# KiCad board Ortholith.kicad_pcb (continued)
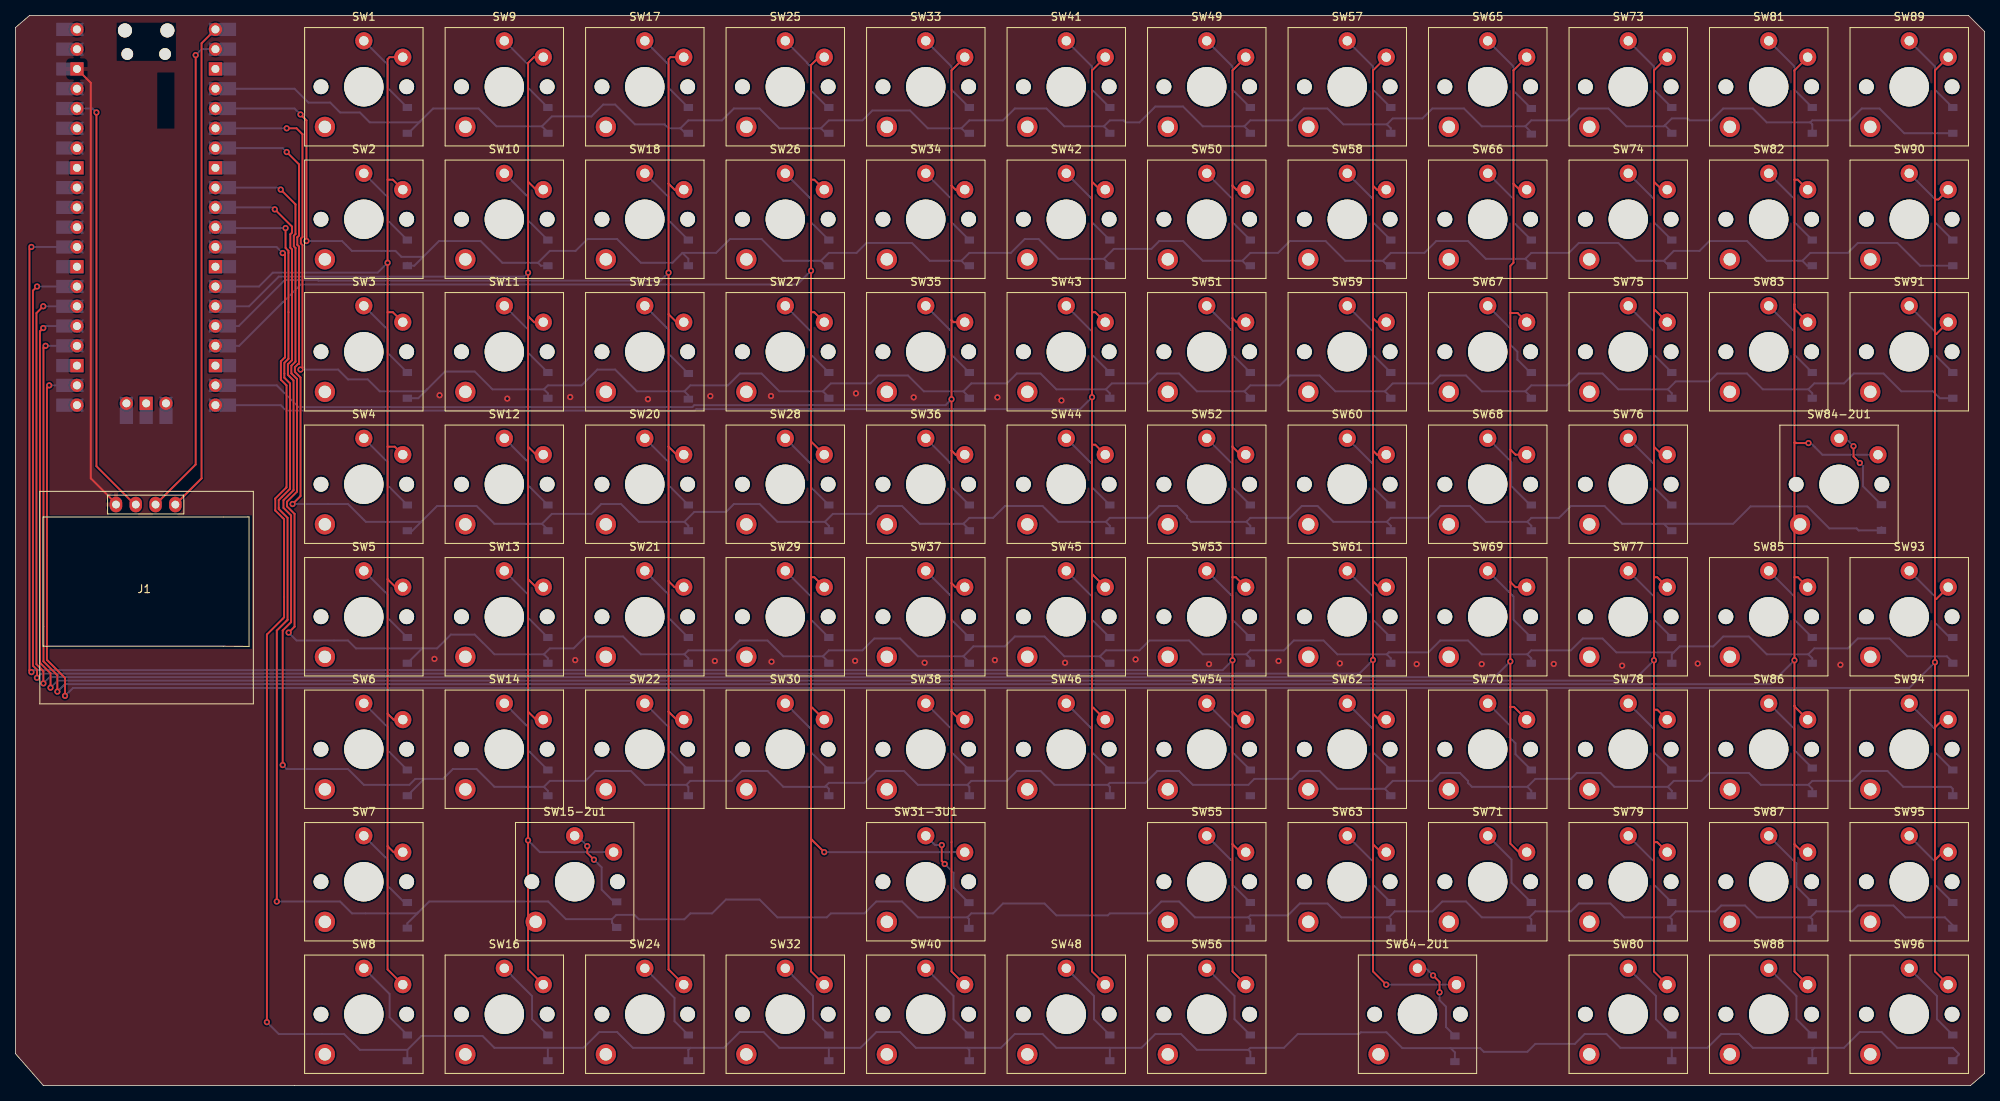
[diagram p0: board, top side]
## Routing (per net, layer and track width the routed paths; a pad name or vN(x,y) marks a point on that pad's centre or on a via; arc(x,y) is an arc through that point)
3V3: length 55.2
  Top w0.25: J1.2 15.31,74.61 10.38,79.54 v1(10.38,124.97)
  Bottom w0.25: v1(10.38,124.97) 9.87,125.48 U1.36
GND: length 58
  Top w0.25: U1.38 9.65,128.78 9.65,77.98 12.89,74.74 J1.1
  vias: v1(53.77,54.79) v1(54.43,88.65) v1(63.12,88.22) v1(71.2,88.42) v1(71.84,54.63) v1(81.17,88.15) v1(89.19,88.55) v1(89.76,54.52) v1(96.97,88.55) v1(97.04,54.43) v1(107.77,54.54) v1(107.88,88.89) v1(115.29,88.38) v1(116.69,54.3) v1(125.71,54.63) v1(126.04,88.38) v1(134.26,87.98) v1(134.72,54.3) v1(143.77,54.72) v1(153.2,54.12) v1(162.13,54.52) v1(169.99,54.21) v1(179.85,54.12) v1(188.2,54.12) v1(197.45,54.14) v1(206.23,53.92) v1(215.93,54.19) v1(234.25,54.03)
Col0: length 159.4
  Top w0.25: SW1.2 48,132.07 47.75,131.83 47.75,116.33 ; SW6.2 48.52,46.98 47.75,47.75 ; 47.75,65.02 48.78,64 SW5.2 ; 47.75,65.02 47.75,82.04 ; 47.75,65.02 47.75,47.75 ; 47.75,47.75 47.75,30.73 ; 47.75,30.73 48.52,29.96 SW7.2 ; 47.75,30.73 47.75,14.9 SW8.2 ; SW4.2 48.68,82.04 47.75,82.04 ; 47.75,82.04 47.75,99.31 ; 47.75,116.33 v1(47.75,105.66) 47.75,99.31 ; 47.75,116.33 48.42,116.33 SW2.2 ; SW3.2 48.42,99.31 47.75,99.31
  Bottom w0.25: U1.14 31.24,102.62 33.02,104.39 46.48,104.39 v1(47.75,105.66)
Col1: length 186.8
  Top w0.25: SW11.2 66.56,98.03 65.79,98.81 ; 65.79,82.04 66.81,81.02 SW12.2 ; 65.79,82.04 65.79,98.81 ; 65.79,82.04 65.79,65.02 ; 65.79,116.08 66.81,115.05 SW10.2 ; 65.79,116.08 65.79,98.81 ; 65.79,116.08 65.79,131.32 66.54,132.07 SW9.2 ; SW14.2 66.81,46.98 65.79,48.01 ; 65.79,65.02 66.81,64 SW13.2 ; 65.79,65.02 65.79,48.01 ; 65.79,48.01 v1(65.79,31.48) 65.79,14.9 SW16.2
  Bottom w0.25: v1(65.79,31.48) 67.3,29.97 SW15-2u1.2 ; v1(65.79,104.39) 65.28,103.89 33.78,103.89 29.97,100.08 U1.15
Col2: length 194.5
  Top w0.25: 83.82,82.04 84.85,81.02 SW20.2 ; 83.82,82.04 83.82,99.06 ; 83.82,82.04 83.82,64.77 ; 83.82,99.06 84.85,98.03 SW19.2 ; 83.82,99.06 v1(83.82,104.39) 83.82,115.82 ; SW18.2 84.59,115.05 83.82,115.82 ; 83.82,64.77 83.82,48.01 ; 83.82,64.77 84.59,64 SW21.2 ; SW17.2 84.06,132.07 83.82,131.83 83.82,115.82 ; SW22.2 84.85,46.98 83.82,48.01 ; 83.82,48.01 83.82,14.9 SW24.2
  Bottom w0.25: v1(83.82,104.39) 82.8,103.38 38.86,103.38 38.8,103.44 34.54,103.44 28.64,97.54 U1.16
Col3: length 233.4
  Top w0.25: 102.11,82.8 102.11,65.28 ; 102.11,82.8 102.11,82.71 SW28.2 ; 102.11,82.8 102.11,99.31 ; 102.11,65.28 102.11,48.51 ; 102.11,65.28 102.53,65.28 SW29.2 ; 102.11,99.31 102.53,99.31 SW27.2 ; 102.11,99.31 102.11,116.33 ; 102.11,116.33 102.11,131.06 103.11,132.07 SW25.2 ; 102.11,116.33 102.53,116.33 SW26.2 ; 102.11,31.75 102.11,31.66 v1(103.81,29.96) ; 102.11,31.75 102.11,14.64 SW32.2 ; 102.11,31.75 102.11,48.51 ; SW30.2 102.27,48.51 102.11,48.51
  Bottom w0.25: v1(102.11,104.65) 100.33,102.87 36.58,102.87 28.7,95 U1.17 ; SW31-3U1.2 v1(103.81,29.96)
Col4: length 226.3
  Top w0.25: SW36.2 120.66,81.02 120.14,81.53 ; 120.14,81.53 120.14,64.52 ; 120.14,81.53 120.14,98.3 ; 120.14,64.52 120.66,64 SW37.2 ; 120.14,64.52 120.14,48.01 ; 120.14,98.3 120.41,98.03 SW35.2 ; 120.14,98.3 120.14,115.57 ; SW40.2 120.14,14.64 120.14,48.01 ; 120.14,115.57 120.66,115.05 SW34.2 ; 120.14,115.57 120.14,130.37 SW33.2 ; 120.14,48.01 121.17,46.98 SW38.2
  Bottom w0.25: v1(120.14,88.14) 119.38,87.38 87.12,87.38 86.87,87.12 36.32,87.12 33.53,89.92 U1.19
Col5: length 245.6
  Top w0.25: SW43.2 138.59,99.31 138.18,99.31 ; 138.18,82.3 138.59,82.3 SW44.2 ; 138.18,82.3 138.18,99.31 ; 138.18,82.3 138.18,65.79 ; 138.18,99.31 138.18,116.08 ; 138.18,48.51 138.18,31.75 ; 138.18,48.51 138.34,48.51 SW46.2 ; 138.18,48.51 138.18,65.79 ; 138.18,31.75 138.18,14.64 SW48.2 ; 138.18,31.75 138.18,31.66 ; SW42.2 139.2,115.05 138.18,116.08 ; SW41.2 138.18,130.37 138.18,116.08 ; SW45.2 138.18,65.7 138.18,65.79
  Bottom w0.25: v1(138.18,88.39) 136.65,86.87 87.38,86.87 87.12,86.61 87.06,86.67 34.74,86.67 34.04,87.38 U1.20
Col6: length 348.4
  Top w0.25: 156.21,65.28 156.63,65.28 SW53.2 ; 156.21,65.28 156.21,48.01 ; 156.21,65.28 156.21,82.04 ; 156.21,115.57 156.21,130.37 SW49.2 ; 156.21,115.57 156.73,115.05 SW50.2 ; 156.21,115.57 156.21,98.55 ; 156.21,98.55 156.21,82.04 ; 156.21,98.55 156.73,98.03 SW51.2 ; 156.21,82.04 157.24,81.02 SW52.2 ; 156.21,48.01 157.24,46.98 SW54.2 ; 156.21,48.01 156.21,30.99 ; SW56.2 156.21,14.64 156.21,30.99 ; v1(2.03,107.7) 1.78,107.44 1.78,53.34 v1(2.03,53.09) ; 156.21,30.99 157.24,29.96 SW55.2
  Bottom w0.25: v1(2.03,53.09) 2.29,53.34 154.94,53.34 v1(156.21,54.61) ; v1(2.03,107.7) U1.29
Col7: length 369.8
  Top w0.25: SW58.2 174.76,115.05 174.24,115.57 ; SW60.2 174.76,81.02 174.24,81.53 ; 174.24,81.53 174.24,98.55 ; 174.24,81.53 174.24,64.77 ; 174.24,30.99 175.27,29.96 SW63.2 ; 174.24,30.99 174.24,47.75 ; 174.24,30.99 174.24,14.64 v1(175.94,12.94) ; 174.24,47.75 174.24,54.61 ; 174.24,47.75 175.02,46.98 SW62.2 ; v1(2.76,102.62) 2.23,102.09 2.23,53.92 2.76,53.39 2.76,52.38 v1(2.74,52.36) ; 174.24,64.77 174.24,54.61 ; 174.24,64.77 175.02,64 SW61.2 ; 174.24,54.61 v1(174.24,54.65) ; 174.24,98.55 174.76,98.03 SW59.2 ; 174.24,98.55 174.24,115.57 ; 174.24,115.57 174.24,130.37 SW57.2
  Bottom w0.25: SW64-2U1.2 175.94,12.95 v1(175.94,12.94) ; v1(174.24,54.65) 172.49,52.89 3.27,52.89 v1(2.74,52.36) ; v1(2.76,102.62) U1.27
Col8: length 359.5
  Top w0.25: 191.88,48.62 192.34,48.62 SW70.2 ; 191.88,48.62 191.88,64.66 ; 191.88,48.62 191.88,31.06 192.97,29.96 SW71.2 ; 191.88,64.66 192.54,64 SW69.2 ; 191.88,64.66 191.88,81.68 ; v1(3.57,51.64) 3.57,53.21 2.68,54.1 2.68,99.2 v1(3.56,100.08) ; 192.28,115.82 192.28,105.66 191.88,105.26 191.88,99.21 ; 192.28,115.82 193.05,115.05 SW66.2 ; 192.28,115.82 192.28,130.37 SW65.2 ; 191.88,81.68 192.54,81.02 SW68.2 ; 191.88,81.68 191.88,99.21 ; 191.88,99.21 192.8,99.21 SW67.2
  Bottom w0.25: v1(3.56,100.08) U1.26 ; v1(191.88,54.46) 189.85,52.44 4.37,52.44 v1(3.57,51.64)
Col9: length 392.4
  Top w0.25: 210.31,31.24 210.31,14.64 SW80.2 ; 210.31,31.24 210.73,31.24 SW79.2 ; 210.31,31.24 210.31,48.26 ; SW74.2 211.34,115.05 210.31,116.08 ; 210.31,99.57 210.48,99.57 SW75.2 ; 210.31,99.57 210.31,82.04 ; 210.31,99.57 210.31,116.08 ; SW77.2 210.73,65.28 210.31,65.28 ; 210.31,65.28 v1(210.31,54.61) 210.31,48.26 ; 210.31,65.28 210.31,82.04 ; SW76.2 211.34,81.02 210.31,82.04 ; 210.31,48.26 210.73,48.26 SW78.2 ; SW73.2 210.31,130.37 210.31,116.08 ; v1(3.56,97.28) 3.13,96.85 3.13,54.29 4.48,52.93 v1(4.48,51.09)
  Bottom w0.25: v1(210.31,54.61) 207.69,51.99 5.38,51.99 v1(4.48,51.09) ; v1(3.56,97.28) 3.81,97.54 U1.25
Col10: length 417.9
  Top w0.25: SW83.2 228.35,99.73 228.35,100.33 ; SW85.2 228.76,65.28 228.35,65.28 ; SW88.2 228.35,14.64 228.35,30.99 ; SW82.2 228.76,116.33 228.35,116.33 ; 228.35,30.99 229.37,29.96 SW87.2 ; 228.35,30.99 228.35,48.77 ; 228.35,65.28 228.35,82.55 ; 228.35,65.28 v1(228.35,54.61) 228.35,48.77 ; v1(3.85,95) 3.58,94.72 3.58,54.47 5.36,52.69 v1(5.36,50.58) ; 228.35,116.33 228.35,100.33 ; 228.35,116.33 228.35,130.37 SW81.2 ; 228.35,100.33 228.35,82.55 ; v1(230.15,82.51) 228.55,82.51 228.51,82.55 228.35,82.55 ; SW86.2 228.35,48.68 228.35,48.77
  Bottom w0.25: v1(230.15,82.51) 230.44,82.51 231.94,81.01 SW84-2U1.2 ; v1(5.36,50.58) 6.32,51.54 225.28,51.54 v1(228.35,54.61) ; v1(3.85,95) U1.24
Col11: length 418
  Top w0.25: 246.38,62.48 246.38,45.97 ; 246.38,62.48 246.56,62.48 SW93.2 ; 246.38,62.48 246.38,96.52 ; 246.38,45.97 247.39,46.98 SW94.2 ; 246.38,45.97 246.38,28.96 ; 246.38,113.79 246.82,113.79 SW90.2 ; 246.38,113.79 246.38,130.37 SW89.2 ; 246.38,113.79 246.38,96.52 ; 246.38,96.52 246.56,96.52 SW91.2 ; v1(4.32,89.92) 4.03,89.62 4.03,54.66 6.35,52.34 v1(6.35,50.04) ; 246.38,28.96 247.39,29.96 SW95.2 ; 246.38,28.96 246.38,14.64 SW96.2
  Bottom w0.25: v1(6.35,50.04) 7.37,51.05 243.08,51.05 v1(246.38,54.36) ; v1(4.32,89.92) U1.22
Row0: length 261.9
  Bottom w0.25: 51.94,123.83 53.59,125.48 59.44,125.48 61.72,123.19 67.56,123.19 ; 51.94,123.83 50.42,122.3 D1.1 ; 51.94,123.83 51.82,123.7 45.47,123.7 44.2,124.97 41.66,124.97 40.39,126.24 37.59,126.24 35.81,128.02 U1.4 ; D9.1 68.33,122.43 67.56,123.19 ; 139.7,123.19 134.62,123.19 132.33,125.48 128.27,125.48 126.75,123.95 122.43,123.95 121.41,122.94 ; 139.7,123.19 140.46,122.43 D41.1 ; 139.7,123.19 140.46,123.95 142.24,123.95 142.49,123.7 144.27,123.7 146.3,125.73 149.86,125.73 152.4,123.19 157.73,123.19 ; 211.71,123.32 212.6,124.21 214.63,124.21 214.88,123.95 217.68,123.95 219.2,125.48 223.01,125.48 224.79,123.7 230.38,123.7 ; 211.71,123.32 211.58,123.19 206.76,123.19 204.47,125.48 200.66,125.48 199.14,123.95 194.56,123.95 193.8,123.19 ; 211.71,123.32 212.6,122.43 D73.1 ; 67.56,123.19 68.83,124.46 73.91,124.46 75.44,125.98 76.96,125.98 79.5,123.44 83.31,123.44 83.82,122.94 85.34,122.94 ; D57.1 176.53,122.94 176.02,123.44 ; 193.8,123.19 194.56,122.43 D65.1 ; 193.8,123.19 188.21,123.19 185.93,125.48 181.86,125.48 180.59,124.21 176.78,124.21 176.02,123.44 ; 176.02,123.44 170.43,123.44 168.4,125.48 165.35,125.48 163.83,123.95 158.5,123.95 157.73,123.19 ; D33.1 122.05,122.3 121.41,122.94 ; 121.41,122.94 117.09,122.94 114.81,125.22 109.98,125.22 108.71,123.95 104.39,123.95 103.38,122.94 ; 85.34,122.94 85.98,122.3 D17.1 ; 85.34,122.94 86.36,123.95 90.68,123.95 92.2,125.48 95.5,125.48 98.04,122.94 103.38,122.94 ; 230.38,123.7 230.63,123.44 D81.1 ; 230.38,123.7 230.63,123.95 235.46,123.95 236.98,125.48 239.27,125.48 242.44,122.3 D89.1 ; D25.1 104.01,122.3 103.38,122.94 ; 157.73,123.19 158.5,122.43 D49.1
Row1: length 279.8
  Top w0.25: v1(37.34,108.46) 37.34,123.95 v1(36.58,124.71)
  Bottom w0.25: 103.38,105.92 104.01,105.28 D26.1 ; 103.38,105.92 98.55,105.92 95.76,108.71 91.69,108.71 89.92,106.93 85.6,106.93 ; 103.38,105.92 104.39,106.93 107.95,106.93 109.22,108.2 115.06,108.2 117.35,105.92 121.41,105.92 ; 193.8,106.17 188.72,106.17 186.44,108.46 182.37,108.46 180.85,106.93 176.53,106.93 175.51,105.92 ; 193.8,106.17 194.56,105.41 D66.1 ; 193.8,106.17 194.56,106.93 199.39,106.93 200.66,108.2 205.74,108.2 208.03,105.92 211.58,105.92 ; D82.1 230,105.28 229.36,105.92 ; 85.6,106.93 84.33,105.66 80.26,105.66 77.22,108.71 73.41,108.71 71.88,107.19 68.58,107.19 67.06,105.66 ; 85.6,106.93 86.36,106.17 D18.1 ; 50.29,105.66 D2.1 51.18,105.28 52.32,106.43 ; D74.1 212.22,105.28 211.58,105.92 ; 211.58,105.92 212.85,107.19 216.15,107.19 217.42,108.46 222.25,108.46 224.79,105.92 229.36,105.92 ; v1(37.34,108.46) 41.91,108.46 43.18,107.19 48.77,107.19 49.53,106.43 52.32,106.43 ; 67.06,105.66 67.44,105.28 D10.1 ; 67.06,105.66 62.48,105.66 59.69,108.46 54.36,108.46 52.32,106.43 ; 121.41,105.92 122.43,106.93 127.76,106.93 129.54,108.71 131.32,108.71 133.86,106.17 139.7,106.17 ; 121.41,105.92 122.05,105.28 D34.1 ; 175.51,105.92 170.69,105.92 168.15,108.46 163.58,108.46 162.05,106.93 158.5,106.93 157.48,105.92 ; 175.51,105.92 176.15,105.28 D58.1 ; 139.7,106.17 140.97,107.44 145.8,107.44 146.81,108.46 149.86,108.46 152.4,105.92 157.48,105.92 ; 139.7,106.17 140.46,105.41 D42.1 ; 157.48,105.92 158.11,105.28 D50.1 ; v1(36.58,124.71) 35.81,125.48 U1.5 ; 229.36,105.92 230.38,106.93 235.2,106.93 236.47,108.2 241.55,108.2 244.47,105.28 D90.1
Row2: length 291.3
  Top w0.25: v1(36.58,91.95) 36.83,92.2 36.83,107.94 36.61,108.16 36.61,108.76 36.83,108.97 36.83,122.17 36.07,122.94 v1(34.8,122.94)
  Bottom w0.25: D43.1 140.46,88.9 139.95,89.41 ; D3.1 51.69,88.27 52.83,89.41 ; 230.12,89.41 224.28,89.41 222.25,91.44 218.44,91.44 217.42,90.42 213.11,90.42 212.09,89.41 ; 230.12,89.41 230.89,90.17 234.7,90.17 235.97,91.44 239.78,91.44 242.06,89.15 246.13,89.15 247.01,88.27 D91.1 ; 230.12,89.41 230.63,88.9 D83.1 ; 175.77,89.15 176.78,90.17 181.86,90.17 182.88,91.19 186.18,91.19 188.21,89.15 193.8,89.15 ; 175.77,89.15 176.53,88.39 D59.1 ; 175.77,89.15 169.42,89.15 167.39,91.19 163.58,91.19 162.31,89.92 158.5,89.92 157.73,89.15 ; D51.1 158.5,88.39 157.73,89.15 ; 212.09,89.41 205.74,89.41 203.71,91.44 200.66,91.44 199.14,89.92 194.56,89.92 193.8,89.15 ; 212.09,89.41 212.6,88.9 D75.1 ; 157.73,89.15 151.64,89.15 149.35,91.44 146.56,91.44 145.29,90.17 140.72,90.17 139.95,89.41 ; 121.67,89.15 116.59,89.15 114.55,91.19 110.74,91.19 109.73,90.17 104.65,90.17 103.63,89.15 ; 121.67,89.15 122.43,88.39 D35.1 ; 121.67,89.15 122.68,90.17 127.25,90.17 128.52,91.44 131.57,91.44 133.6,89.41 139.95,89.41 ; D67.1 194.56,88.39 193.8,89.15 ; 85.85,89.15 86.61,89.92 91.44,89.92 92.96,91.44 95.76,91.44 98.04,89.15 103.63,89.15 ; 85.85,89.15 86.36,88.65 D19.1 ; 85.85,89.15 79.76,89.15 76.96,91.95 74.68,91.95 72.64,89.92 68.33,89.92 67.82,89.41 ; 52.83,89.41 55.12,91.69 58.93,91.69 61.21,89.41 67.82,89.41 ; 52.83,89.41 52.58,89.15 46.74,89.15 45.21,90.68 42.67,90.68 41.4,91.95 v1(36.58,91.95) ; 103.63,89.15 104.39,88.39 D27.1 ; 67.82,89.41 68.33,88.9 D11.1 ; v1(34.8,122.94) U1.6
Row3: length 294.3
  Top w0.25: v1(35.56,74.68) 36.58,75.69 36.58,90.92 35.85,91.65 35.85,92.25 36.28,92.67 36.38,92.67 36.38,107.76 36.16,107.97 36.16,108.94 36.38,109.16 36.38,118.31 v1(34.8,119.89)
  Bottom w0.25: 211.58,72.14 206.25,72.14 203.96,74.42 199.64,74.42 198.12,72.9 194.56,72.9 194.06,72.39 ; 211.58,72.14 212.47,71.25 D76.1 ; 211.58,72.14 220.47,72.14 222.7,74.37 230,74.37 232.82,71.55 236.33,71.55 236.59,71.29 D84.1 239.52,71.72 ; D60.1 176.53,71.88 176.02,72.39 ; 52.07,72.39 44.96,72.39 42.67,74.68 v1(35.56,74.68) ; 52.07,72.39 54.1,74.42 59.18,74.42 61.47,72.14 67.56,72.14 ; 52.07,72.39 50.93,71.25 D4.1 ; 139.95,72.39 140.46,72.9 145.29,72.9 146.81,74.42 149.1,74.42 150.37,73.15 150.37,72.9 150.88,72.39 157.99,72.39 ; 139.95,72.39 133.86,72.39 131.83,74.42 127,74.42 125.48,72.9 122.43,72.9 121.67,72.14 ; 139.95,72.39 140.46,71.88 D44.1 ; 176.02,72.39 176.53,72.9 181.36,72.9 182.88,74.42 186.69,74.42 188.72,72.39 194.06,72.39 ; 176.02,72.39 169.16,72.39 167.13,74.42 165.1,74.42 163.58,72.9 158.5,72.9 157.99,72.39 ; D28.1 104.39,71.88 103.89,72.39 ; 121.67,72.14 122.43,71.37 D36.1 ; 121.67,72.14 116.08,72.14 113.79,74.42 110.74,74.42 109.73,73.41 104.9,73.41 103.89,72.39 ; 67.56,72.14 68.83,73.41 73.91,73.41 75.18,74.68 77.72,74.68 80.01,72.39 85.85,72.39 ; 67.56,72.14 68.33,71.37 D12.1 ; 157.99,72.39 158.5,71.88 D52.1 ; 85.85,72.39 86.36,71.88 D20.1 ; 85.85,72.39 87.12,73.66 91.19,73.66 92.2,74.68 95.5,74.68 97.79,72.39 103.89,72.39 ; 194.06,72.39 194.56,71.88 D68.1 ; v1(34.8,119.89) 34.29,120.4 U1.7
Row4: length 318.3
  Top w0.25: v1(35.05,58.17) 35.81,58.93 35.81,73.4 34.84,74.38 34.84,74.98 36.13,76.27 36.13,90.74 35.4,91.46 35.4,92.43 35.93,92.96 35.93,107.57 35.71,107.79 35.71,109.13 35.93,109.35 35.93,113.17 v1(34.04,115.06)
  Bottom w0.25: D77.1 212.6,55.37 212.85,55.63 ; D13.1 68.33,54.86 67.82,55.37 ; 212.85,55.63 205.49,55.63 203.71,57.4 201.17,57.4 199.64,55.88 194.56,55.88 194.06,55.37 ; 212.85,55.63 213.61,56.39 217.93,56.39 219.2,57.66 222.5,57.66 224.79,55.37 230.12,55.37 ; D45.1 140.08,54.23 139.19,55.12 ; 121.67,55.12 115.82,55.12 113.54,57.4 110.24,57.4 108.71,55.88 104.39,55.88 103.63,55.12 ; 121.67,55.12 122.43,54.36 D37.1 ; 121.67,55.12 122.94,56.39 127,56.39 128.27,57.66 132.08,57.66 134.62,55.12 139.19,55.12 ; U1.9 33.78,115.32 v1(34.04,115.06) ; 67.82,55.37 68.58,56.13 71.63,56.13 73.15,57.66 77.98,57.66 80.26,55.37 85.85,55.37 ; 67.82,55.37 61.47,55.37 58.93,57.91 55.88,57.91 54.1,56.13 52.2,56.13 ; 85.85,55.37 86.36,54.86 D21.1 ; 85.85,55.37 86.36,55.88 91.69,55.88 92.96,57.15 96.52,57.15 98.55,55.12 103.63,55.12 ; 230.12,55.37 230.63,54.86 D85.1 ; 230.12,55.37 230.89,56.13 235.2,56.13 236.47,57.4 240.54,57.4 242.82,55.12 247.9,55.12 248.67,54.36 D93.1 ; 139.19,55.12 139.95,55.88 144.27,55.88 145.54,57.15 150.62,57.15 152.4,55.37 157.99,55.37 ; 103.63,55.12 104.39,54.36 D29.1 ; 194.06,55.37 194.56,54.86 D69.1 ; 194.06,55.37 188.21,55.37 186.44,57.15 182.88,57.15 181.36,55.63 176.28,55.63 176.02,55.37 ; 157.99,55.37 158.5,54.86 D53.1 ; 157.99,55.37 158.5,55.88 162.81,55.88 164.08,57.15 167.89,57.15 169.67,55.37 176.02,55.37 ; D5.1 52.2,56.13 ; 52.2,56.13 43.69,56.13 42.67,57.15 36.07,57.15 v1(35.05,58.17) ; 176.02,55.37 176.53,54.86 D61.1
Row5: length 331.5
  Top w0.25: v1(34.29,41.15) 34.29,58.43 35.36,59.5 35.36,73.21 34.39,74.19 34.39,75.16 35.68,76.45 35.68,90.55 34.95,91.28 34.95,92.62 35.48,93.15 35.48,107.38 35.26,107.6 35.26,109.32 35.48,109.53 35.48,110.31 v1(33.27,112.52)
  Bottom w0.25: 212.09,38.35 205.23,38.35 203.45,40.13 200.41,40.13 199.64,39.37 195.07,39.37 194.06,38.35 ; 212.09,38.35 212.85,39.12 216.41,39.12 217.42,40.13 222.5,40.13 224.03,38.61 230.12,38.61 ; 212.09,38.35 212.6,37.85 D78.1 ; U1.10 33.02,112.78 v1(33.27,112.52) ; 194.06,38.35 186.94,38.35 186.44,38.86 186.44,39.12 185.42,40.13 182.88,40.13 181.86,39.12 176.78,39.12 175.77,38.1 ; 194.06,38.35 194.56,37.85 D70.1 ; 175.77,38.1 176.53,37.34 D62.1 ; 175.77,38.1 169.67,38.1 167.39,40.39 164.85,40.39 163.83,39.37 159,39.37 158.24,38.61 151.13,38.61 149.35,40.39 146.56,40.39 145.03,38.86 140.46,38.86 140.21,38.61 ; 103.89,38.35 98.55,38.35 96.52,40.39 93.22,40.39 91.95,39.12 86.61,39.12 86.11,38.61 ; 103.89,38.35 104.14,38.35 104.39,38.1 D30.1 ; 103.89,38.35 104.39,38.86 108.97,38.86 110.49,40.39 114.05,40.39 115.82,38.61 122.17,38.61 ; 140.21,38.61 133.35,38.61 131.57,40.39 128.52,40.39 127.25,39.12 122.68,39.12 122.17,38.61 ; 140.21,38.61 140.46,38.35 D46.1 ; 230.12,38.61 230.63,39.12 235.71,39.12 236.98,40.39 240.28,40.39 242.32,38.35 248.41,38.35 248.67,38.1 D94.1 ; 230.12,38.61 230.63,38.1 D86.1 ; 86.11,38.61 86.36,38.35 D22.1 ; 86.11,38.61 80.77,38.61 78.99,40.39 74.42,40.39 73.15,39.12 68.58,39.12 67.82,38.35 ; 122.17,38.61 122.43,38.35 D38.1 ; D14.1 68.33,37.85 67.82,38.35 ; 52.45,39.37 51.31,39.37 50.55,38.61 44.7,38.61 42.67,40.64 34.8,40.64 v1(34.29,41.15) ; 52.45,39.37 D6.1 ; 52.45,39.37 54.86,39.37 56.13,40.64 59.18,40.64 61.47,38.35 67.82,38.35
Row6: length 343.2
  Top w0.25: v1(34.66,110.12) 34.66,107.56 35.03,107.19 35.03,93.34 34.5,92.81 34.5,90.89 35.23,90.17 35.23,76.64 33.78,75.19 33.78,74.03 34.91,72.9 34.91,59.81 33.53,58.42 v1(33.53,23.62)
  Bottom w0.25: 158.24,21.59 158.5,21.84 163.32,21.84 164.85,23.37 168.4,23.37 170.18,21.59 176.28,21.59 ; 158.24,21.59 151.38,21.59 149.35,23.62 147.07,23.62 145.54,22.1 140.46,22.1 140.21,21.84 133.6,21.84 132.08,23.37 126.75,23.37 125.48,22.1 122.68,22.1 122.17,21.59 ; 158.24,21.59 158.5,21.34 D55.1 ; 51.69,22.23 51.56,22.1 43.18,22.1 41.66,23.62 v1(33.53,23.62) ; 51.69,22.23 53.09,23.62 68.38,23.62 70.65,21.36 76.57,21.36 ; 51.69,22.23 50.29,20.83 D7.1 ; 194.31,21.59 195.07,22.35 199.64,22.35 200.66,23.37 204.72,23.37 206.5,21.59 212.34,21.59 ; 194.31,21.59 194.56,21.34 D71.1 ; 194.31,21.59 188.21,21.59 186.18,23.62 183.13,23.62 181.86,22.35 177.04,22.35 176.28,21.59 ; 176.28,21.59 176.53,21.34 D63.1 ; D31.1 122.38,21.39 122.17,21.59 ; 230.38,21.59 223.52,21.59 222,23.11 218.95,23.11 218.19,22.35 213.11,22.35 212.34,21.59 ; 230.38,21.59 230.63,21.34 D87.1 ; 230.38,21.59 231.14,22.35 235.71,22.35 236.47,23.11 241.05,23.11 242.57,21.59 247.65,21.59 248.67,20.57 D95.1 ; 212.34,21.59 212.6,21.34 D79.1 ; v1(34.66,110.12) 25.77,110.12 U1.11 ; 122.17,21.59 115.82,21.59 113.79,23.62 110.49,23.62 108.97,22.1 104.65,22.1 104.14,21.59 97.79,21.59 95.5,23.88 91.19,23.88 89.41,22.1 86.61,22.1 85.85,21.34 80.01,21.34 79.44,21.91 77.12,21.91 76.57,21.36 ; 76.57,21.36 76.57,20.89 D15.1
Row7: length 363.7
  Top w0.25: v1(32.26,8.13) 32.26,57.91 34.47,60.12 34.47,72.71 33.33,73.84 33.33,75.38 34.78,76.83 34.78,89.92 34.05,90.64 34.05,92.99 34.58,93.52 34.58,106.93 34.31,106.93 v1(34.28,106.91)
  Bottom w0.25: U1.12 33.5,107.7 v1(34.28,106.91) ; 68.33,4.83 D16.1 ; 68.33,4.83 61.47,4.83 59.94,6.35 52.07,6.35 50.29,4.57 ; 68.33,4.83 72.9,4.83 74.93,6.86 77.22,6.86 79.25,4.83 86.61,4.83 ; 212.6,4.83 205.99,4.83 204.22,6.6 201.42,6.6 200.15,5.33 195.07,5.33 194.06,4.32 188.47,4.32 187.99,4.8 184.21,4.8 ; 212.6,4.83 217.17,4.83 218.95,6.6 221.23,6.6 223.01,4.83 230.89,4.83 ; 212.6,4.83 D80.1 ; D24.1 86.36,4.57 86.61,4.83 ; 230.89,4.83 230.63,4.57 D88.1 ; 230.89,4.83 234.7,4.83 236.73,6.86 239.52,6.86 241.55,4.83 248.67,4.83 249.43,4.06 249.43,3.94 D96.1 ; 104.39,4.83 108.46,4.83 110.49,6.86 113.54,6.86 115.57,4.83 122.17,4.83 ; 104.39,4.83 D32.1 ; 104.39,4.83 98.04,4.83 96.01,6.86 92.96,6.86 90.93,4.83 86.61,4.83 ; 184.21,4.8 178.01,4.8 175.98,6.83 172.67,6.83 172.44,6.6 164.59,6.6 162.81,4.83 158.5,4.83 158.24,4.57 ; 184.21,4.8 184.76,4.25 D64.1 ; 122.17,4.83 126.49,4.83 128.27,6.6 131.83,6.6 133.6,4.83 140.46,4.83 ; 122.17,4.83 122.43,4.57 D40.1 ; 140.46,4.83 D48.1 ; 140.46,4.83 144.53,4.83 146.3,6.6 149.61,6.6 151.64,4.57 158.24,4.57 ; 158.24,4.57 158.5,4.32 D56.1 ; D8.1 50.29,4.57 ; 50.29,4.57 44.2,4.57 42.16,6.6 33.78,6.6 v1(32.26,8.13)
SCL: length 62.7
  Top w0.25: v1(23.11,132.33) 23.11,79.76 17.97,74.61 J1.3
  Bottom w0.25: v1(23.11,132.33) 23.88,133.1 U1.2
SDA: length 63.2
  Top w0.25: J1.4 23.88,77.97 23.88,133.86 U1.1
Net-(D1-Pad2): length 10.9
  Bottom w0.25: D1.2 47.75,128.14 47.75,131.12 SW1.1
Net-(D2-Pad2): length 10.9
  Bottom w0.25: D2.2 47.75,111.12 47.75,114.1 SW2.1
Net-(D3-Pad2): length 10.9
  Bottom w0.25: D3.2 47.75,94.11 47.75,97.09 SW3.1
Net-(D4-Pad2): length 10.9
  Bottom w0.25: SW4.1 47.75,80.07 47.75,77.09 D4.2
Net-(D5-Pad2): length 10.9
  Bottom w0.25: SW5.1 47.75,63.05 47.75,60.07 D5.2
Net-(D6-Pad2): length 10.9
  Bottom w0.25: SW6.1 47.75,46.03 47.75,43.05 D6.2
Net-(D7-Pad2): length 11.1
  Bottom w0.25: SW7.1 47.75,29.01 47.75,25.65 49.91,23.49 D7.2
Net-(D8-Pad2): length 10.9
  Bottom w0.25: D8.2 48.01,8.76 48.01,11.74 SW8.1
Net-(D9-Pad2): length 10.9
  Bottom w0.25: D9.2 65.79,128.14 65.79,131.12 SW9.1
Net-(D10-Pad2): length 10.9
  Bottom w0.25: SW10.1 65.79,114.1 65.79,111.12 D10.2
Net-(D11-Pad2): length 10.9
  Bottom w0.25: SW11.1 65.79,97.09 65.79,94.11 D11.2
Net-(D12-Pad2): length 10.9
  Bottom w0.25: SW12.1 65.79,80.07 65.79,77.09 D12.2
Net-(D13-Pad2): length 10.9
  Bottom w0.25: SW13.1 65.79,63.05 65.79,60.07 D13.2
Net-(D14-Pad2): length 10.9
  Bottom w0.25: SW14.1 65.79,46.03 65.79,43.05 D14.2
Net-(D15-Pad2): length 11.1
  Top w0.25: v1(73.39,30.74) 73.39,29.86 v1(74.25,29)
  Bottom w0.25: SW15-2u1.1 72.06,32.07 v1(73.39,30.74) ; v1(74.25,29) 75.24,28.01 75.24,25.14 76.79,23.59 D15.2
Net-(D16-Pad2): length 10.9
  Bottom w0.25: SW16.1 66.29,11.49 66.29,8.51 D16.2
Net-(D17-Pad2): length 10.9
  Bottom w0.25: SW17.1 83.82,131.12 83.82,128.14 D17.2
Net-(D18-Pad2): length 10.9
  Bottom w0.25: SW18.1 83.82,114.1 83.82,111.12 D18.2
Net-(D19-Pad2): length 11
  Bottom w0.25: D19.2 83.82,93.98 83.82,97.09 SW19.1
Net-(D20-Pad2): length 10.9
  Bottom w0.25: D20.2 83.82,77.09 83.82,80.07 SW20.1
Net-(D21-Pad2): length 10.9
  Bottom w0.25: SW21.1 83.82,63.05 83.82,60.07 D21.2
Net-(D22-Pad2): length 10.9
  Bottom w0.25: D22.2 83.82,43.05 83.82,46.03 SW22.1
Net-(D24-Pad2): length 10.9
  Bottom w0.25: D24.2 84.58,8.25 84.58,11.23 SW24.1
Net-(D25-Pad2): length 11
  Bottom w0.25: D25.2 104.27,125.6 102.11,127.76 102.11,130.81 101.6,131.32 101.6,131.38 SW25.1
Net-(D26-Pad2): length 10.9
  Bottom w0.25: SW26.1 102.11,113.85 102.11,110.87 D26.2
Net-(D27-Pad2): length 10.9
  Bottom w0.25: D27.2 102.11,93.85 102.11,96.83 SW27.1
Net-(D28-Pad2): length 10.9
  Bottom w0.25: SW28.1 102.11,79.81 102.11,76.83 D28.2
Net-(D29-Pad2): length 10.9
  Bottom w0.25: D29.2 102.11,59.82 102.11,62.8 SW29.1
Net-(D30-Pad2): length 10.9
  Bottom w0.25: SW30.1 102.11,45.78 102.11,42.8 D30.2
Net-(D31-Pad2): length 11.4
  Top w0.25: v1(119.27,28.45) 118.89,28.83 v1(118.89,30.88)
  Bottom w0.25: v1(118.89,30.88) 118.03,30.88 SW31-3U1.1 ; D31.2 122.34,23.48 120.4,25.42 120.4,27.32 v1(119.27,28.45)
Net-(D32-Pad2): length 10.9
  Bottom w0.25: D32.2 102.36,8.51 102.36,11.49 SW32.1
Net-(D33-Pad2): length 10.9
  Bottom w0.25: SW33.1 120.14,130.87 120.14,127.89 D33.2
Net-(D34-Pad2): length 10.9
  Bottom w0.25: SW34.1 120.14,113.85 120.14,110.87 D34.2
Net-(D35-Pad2): length 10.9
  Bottom w0.25: SW35.1 120.14,96.83 120.14,93.85 D35.2
Net-(D36-Pad2): length 10.9
  Bottom w0.25: SW36.1 119.89,80.07 119.89,80.01 120.14,79.76 120.14,76.83 D36.2
Net-(D37-Pad2): length 10.9
  Bottom w0.25: SW37.1 120.14,62.8 120.14,59.82 D37.2
Net-(D38-Pad2): length 10.9
  Bottom w0.25: D38.2 120.14,42.8 120.14,45.78 SW38.1
Net-(D40-Pad2): length 10.9
  Bottom w0.25: SW40.1 120.4,11.49 120.4,8.51 D40.2
Net-(D41-Pad2): length 10.9
  Bottom w0.25: D41.2 138.18,127.89 138.18,130.87 SW41.1
Net-(D42-Pad2): length 10.9
  Bottom w0.25: D42.2 138.18,110.87 138.18,113.85 SW42.1
Net-(D43-Pad2): length 10.9
  Bottom w0.25: SW43.1 138.18,96.83 138.18,93.85 D43.2
Net-(D44-Pad2): length 10.9
  Bottom w0.25: D44.2 138.18,76.83 138.18,79.81 SW44.1
Net-(D45-Pad2): length 10.9
  Bottom w0.25: SW45.1 138.18,62.8 138.18,59.82 D45.2
Net-(D46-Pad2): length 10.9
  Bottom w0.25: D46.2 138.18,42.8 138.18,45.78 SW46.1
Net-(D48-Pad2): length 10.9
  Bottom w0.25: SW48.1 138.43,11.49 138.43,8.51 D48.2
Net-(D49-Pad2): length 10.9
  Bottom w0.25: SW49.1 156.21,130.87 156.21,127.89 D49.2
Net-(D50-Pad2): length 10.9
  Bottom w0.25: SW50.1 156.21,113.85 156.21,110.87 D50.2
Net-(D51-Pad2): length 10.9
  Bottom w0.25: SW51.1 156.21,96.83 156.21,93.85 D51.2
Net-(D52-Pad2): length 10.9
  Bottom w0.25: D52.2 156.21,76.83 156.21,79.81 SW52.1
Net-(D53-Pad2): length 10.9
  Bottom w0.25: D53.2 156.21,59.82 156.21,62.8 SW53.1
Net-(D54-Pad2): length 10.9
  Bottom w0.25: D54.2 156.21,42.8 156.21,45.78 SW54.1
Net-(D55-Pad2): length 10.9
  Bottom w0.25: SW55.1 156.21,28.76 156.21,25.78 D55.2
Net-(D56-Pad2): length 10.9
  Bottom w0.25: SW56.1 156.46,11.49 156.46,8.51 D56.2
Net-(D57-Pad2): length 10.9
  Bottom w0.25: D57.2 174.24,127.89 174.24,130.87 SW57.1
Net-(D58-Pad2): length 10.9
  Bottom w0.25: D58.2 174.24,110.87 174.24,113.85 SW58.1
Net-(D59-Pad2): length 10.9
  Bottom w0.25: D59.2 174.24,93.85 174.24,96.83 SW59.1
Net-(D60-Pad2): length 10.9
  Bottom w0.25: D60.2 174.24,76.83 174.24,79.81 SW60.1
Net-(D61-Pad2): length 10.9
  Bottom w0.25: SW61.1 174.24,62.8 174.24,59.82 D61.2
Net-(D62-Pad2): length 10.9
  Bottom w0.25: SW62.1 174.24,45.78 174.24,42.8 D62.2
Net-(D63-Pad2): length 10.9
  Bottom w0.25: D63.2 174.24,25.78 174.24,28.76 SW63.1
Net-(D64-Pad2): length 11.3
  Top w0.25: v1(182.79,11.96) 182.79,13.3 v1(181.96,14.13)
  Bottom w0.25: D64.2 183.62,7.5 183.62,10.12 182.79,10.95 v1(182.79,11.96) ; SW64-2U1.1 181.04,15.05 v1(181.96,14.13)
Net-(D65-Pad2): length 11
  Bottom w0.25: SW65.1 192.28,130.87 192.28,127.76 D65.2
Net-(D66-Pad2): length 10.9
  Bottom w0.25: SW66.1 192.28,113.85 192.28,110.87 D66.2
Net-(D67-Pad2): length 11
  Bottom w0.25: SW67.1 191.88,97.23 191.88,95.14 192.79,94.23 192.79,93.22 194.44,91.57 D67.2
Net-(D68-Pad2): length 11
  Bottom w0.25: SW68.1 192.02,80.07 192.02,76.96 194.44,74.55 D68.2
Net-(D69-Pad2): length 10.9
  Bottom w0.25: D69.2 192.28,59.82 192.28,62.8 SW69.1
Net-(D70-Pad2): length 10.9
  Bottom w0.25: D70.2 192.53,42.54 192.53,43.94 191.77,44.7 191.77,46.29 SW70.1
Net-(D71-Pad2): length 10.9
  Bottom w0.25: SW71.1 192.02,29.01 192.02,26.03 D71.2
Net-(D73-Pad2): length 10.9
  Bottom w0.25: SW73.1 210.31,130.87 210.31,127.89 D73.2
Net-(D74-Pad2): length 10.9
  Bottom w0.25: D74.2 210.31,110.87 210.31,113.85 SW74.1
Net-(D75-Pad2): length 10.9
  Bottom w0.25: SW75.1 210.31,96.83 210.31,93.85 D75.2
Net-(D76-Pad2): length 10.9
  Bottom w0.25: D76.2 210.31,76.83 210.31,79.81 SW76.1
Net-(D77-Pad2): length 10.9
  Bottom w0.25: D77.2 210.31,59.82 210.31,62.8 SW77.1
Net-(D78-Pad2): length 10.9
  Bottom w0.25: D78.2 210.31,42.8 210.31,45.78 SW78.1
Net-(D79-Pad2): length 10.9
  Bottom w0.25: D79.2 210.31,25.78 210.31,28.76 SW79.1
Net-(D80-Pad2): length 10.9
  Bottom w0.25: SW80.1 210.57,11.49 210.57,8.51 D80.2
Net-(D81-Pad2): length 10.9
  Bottom w0.25: D81.2 228.35,127.89 228.35,130.87 SW81.1
Net-(D82-Pad2): length 10.9
  Bottom w0.25: D82.2 228.35,110.87 228.35,113.85 SW82.1
Net-(D83-Pad2): length 10.9
  Bottom w0.25: SW83.1 228.35,96.83 228.35,93.85 D83.2
Net-(D84-Pad2): length 11.3
  Top w0.25: v1(235.93,82.11) 235.93,80.77 v1(236.74,79.96)
  Bottom w0.25: SW84-2U1.1 234.93,83.11 v1(235.93,82.11) ; v1(236.74,79.96) 237.15,79.55 237.15,76.96 D84.2
Net-(D85-Pad2): length 10.9
  Bottom w0.25: D85.2 228.35,59.82 228.35,62.8 SW85.1
Net-(D86-Pad2): length 10.6
  Bottom w0.25: D86.2 228.35,43.05 228.35,45.78 SW86.1
Net-(D87-Pad2): length 10.9
  Bottom w0.25: D87.2 228.6,25.53 228.6,28.51 SW87.1
Net-(D88-Pad2): length 10.9
  Bottom w0.25: SW88.1 228.6,11.49 228.6,8.51 D88.2
Net-(D89-Pad2): length 10.9
  Bottom w0.25: SW89.1 246.38,130.87 246.38,127.89 D89.2
Net-(D90-Pad2): length 10.9
  Bottom w0.25: D90.2 246.38,110.87 246.38,113.85 SW90.1
Net-(D91-Pad2): length 10.9
  Bottom w0.25: SW91.1 246.38,96.83 246.38,93.85 D91.2
Net-(D93-Pad2): length 11.1
  Bottom w0.25: SW93.1 246.38,62.8 246.38,59.44 248.29,57.53 D93.2
Net-(D94-Pad2): length 10.9
  Bottom w0.25: D94.2 246.38,42.8 246.38,45.78 SW94.1
Net-(D95-Pad2): length 10.9
  Bottom w0.25: D95.2 246.38,25.78 246.38,28.76 SW95.1
Net-(D96-Pad2): length 10.9
  Bottom w0.25: SW96.1 246.63,11.49 246.63,8.51 D96.2

## Copper pours and planes (outline as drawn; the poured copper is in the pictures)
GND on Top, Bottom: 255.91,140.43 255.91,-3.69 -2.15,-3.62 -2.19,140.47
